# Altium PCB LPCXpresso55SXX.PcbDoc (part 4 of 4)
Units mm, origin at the board's own origin, x right, y up, seen from the top; angles counter-clockwise.
Board outline 97.07 x 97.84 mm, 4 copper layers (Top Layer, GND Plane, Power Plane, Bottom Layer), stack 1.58 mm thick; 336 components, 250 nets, 1211 pads, 766 vias.
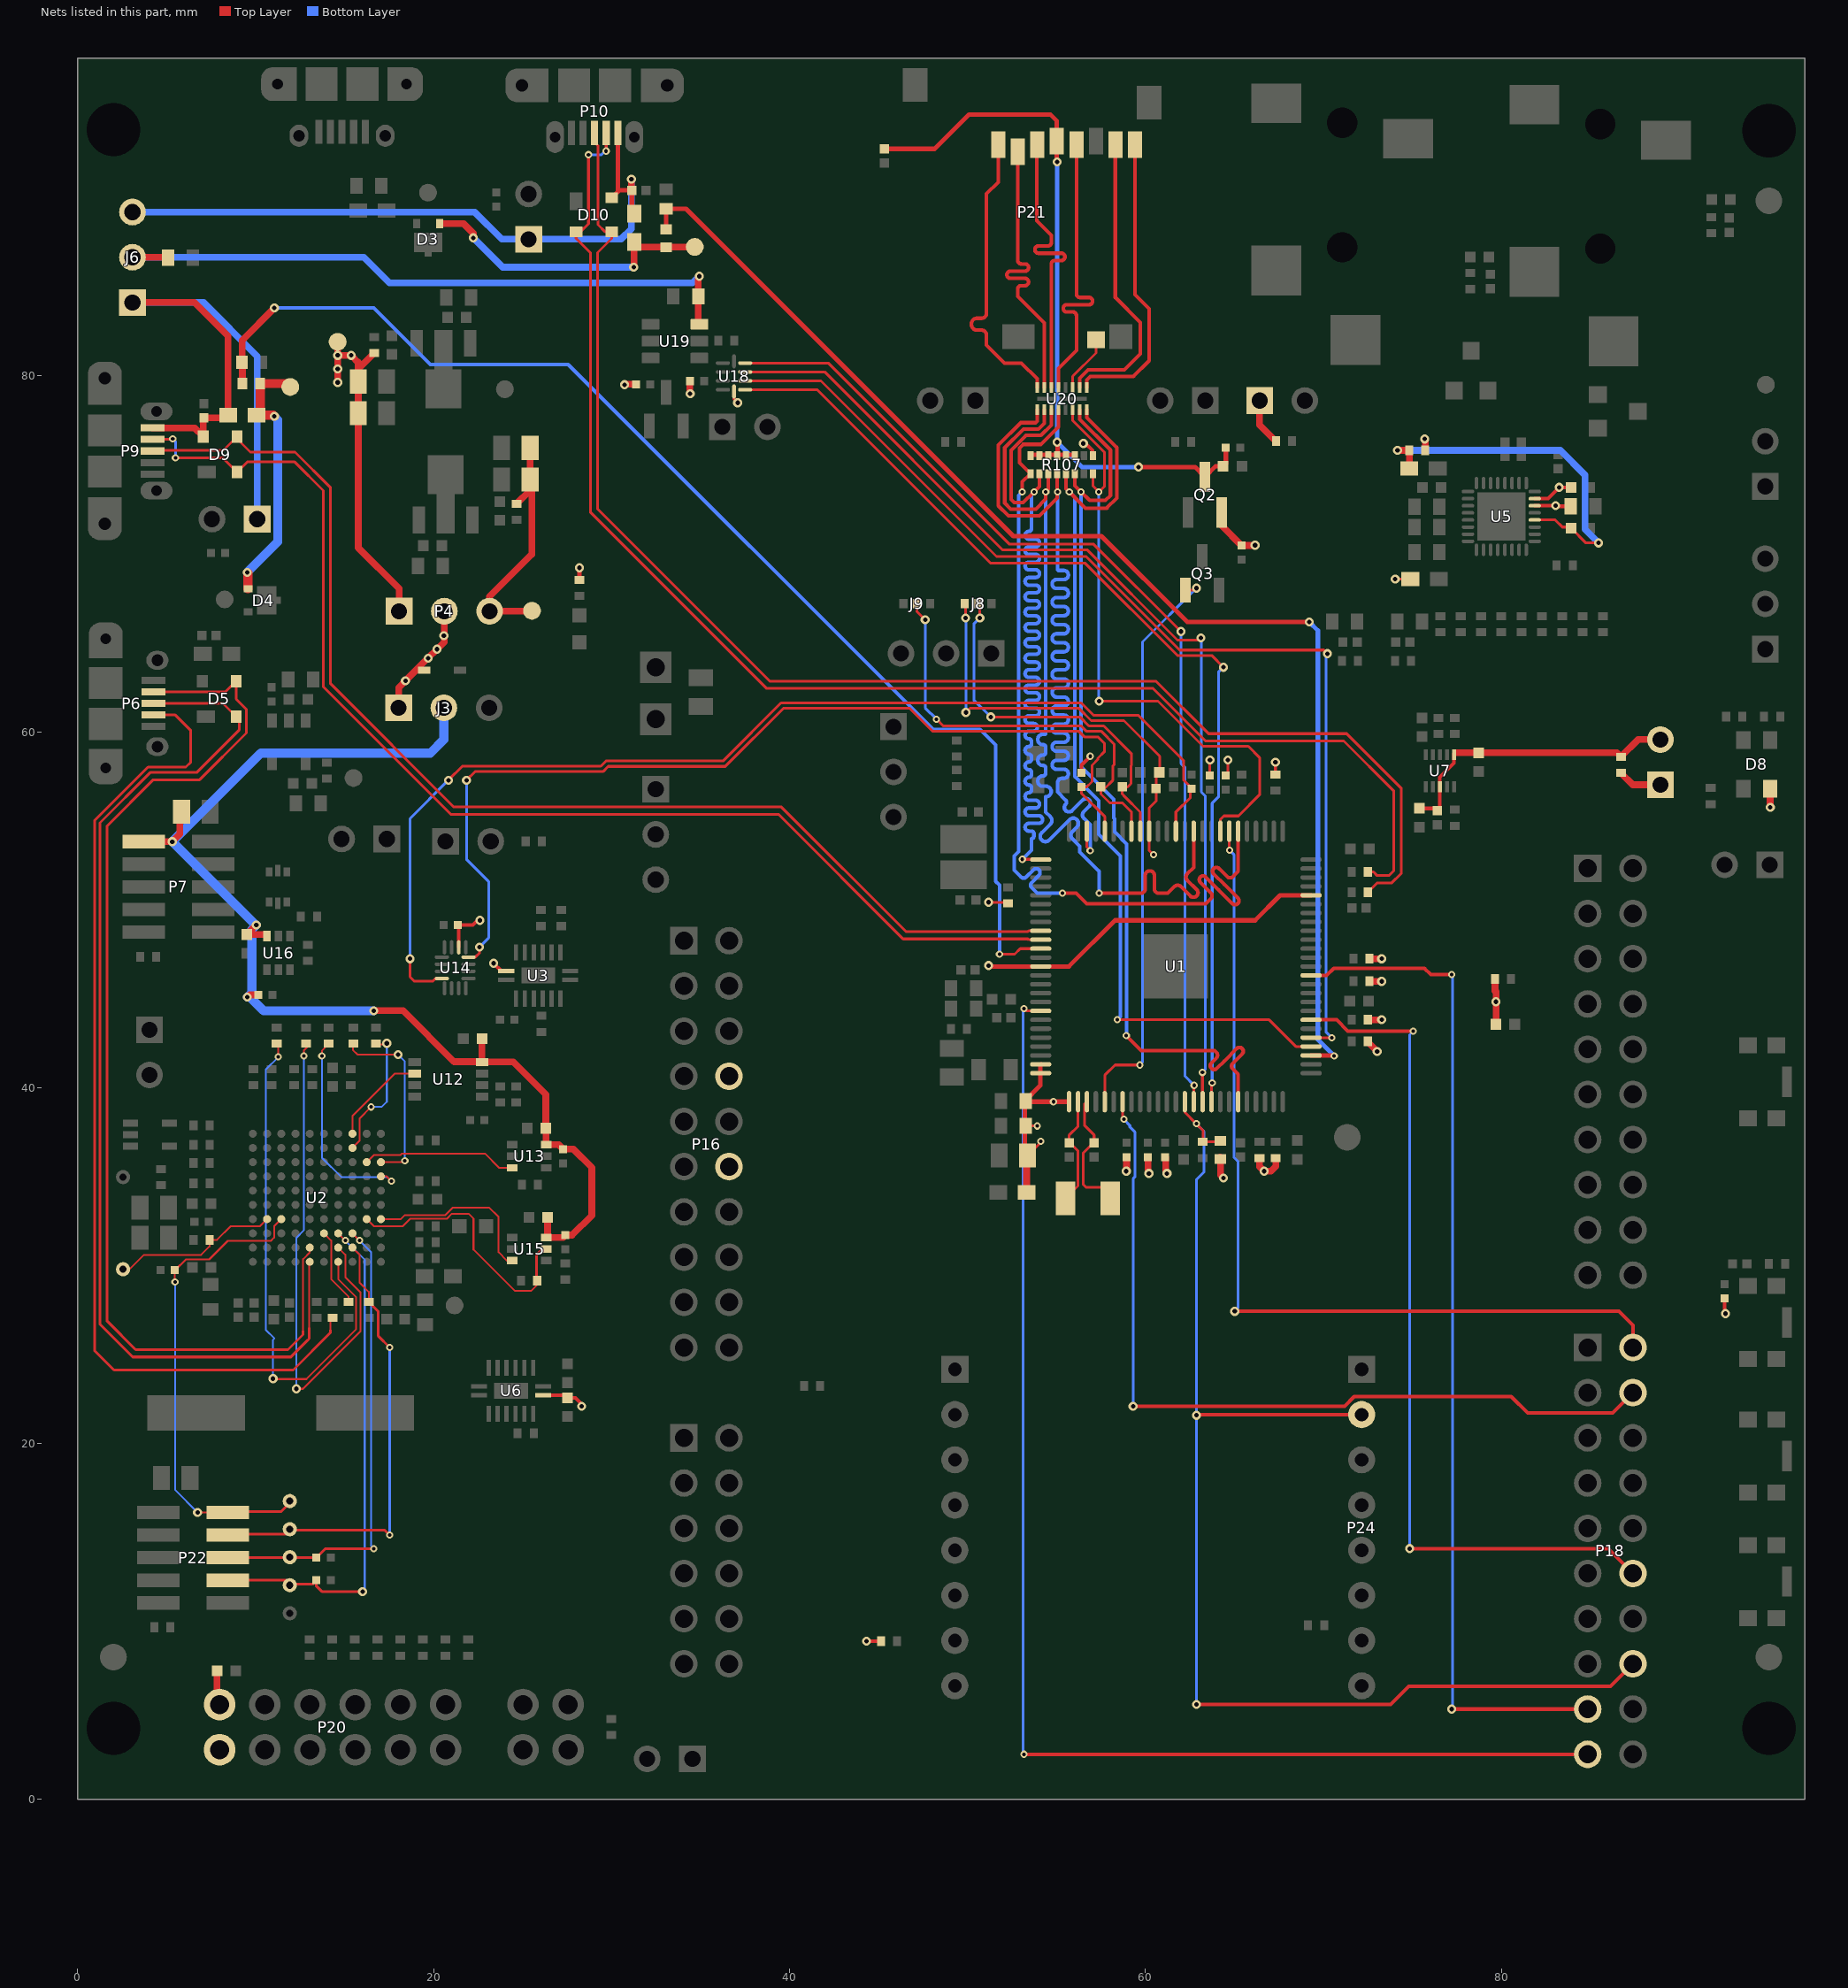
[diagram p6: the nets of this part, all layers, seen from the top]

## Via types
v1: diameter 0.508, hole 0.254, Top Layer to Bottom Layer, tented both sides, 566 vias
v2: diameter 0.406, hole 0.203, Top Layer to Bottom Layer, tented both sides, 185 vias
v3: diameter 0.406, hole 0.203, Top Layer to Bottom Layer, 13 vias
v4: diameter 0.508, hole 0.254, Top Layer to Bottom Layer, 2 vias

## Nets (pads, with @x,y where several pads share a name; then routed paths per layer and width w, separated by ;. In a path a pad name is that pad's centre, name@x,y a point inside that pad or via, vN(x,y) a via of type N, cw(c..) or ccw(c..) an arc to the next point about the centre after c; other vN are vias at no path point) (continued)
S\D\0\_\C\A\R\D\_\D\E\T\: R107.8 U1.8 U20.6 | length 34.3
  Top Layer w0.152: U20.6@55.914,78.095 55.914,77.486 57.708,75.692 57.708,73.806 v2(57.385,73.483) 57.045,73.823 R107.8@57.045,74.507 ; v1(57.404,61.722) 60.706,61.722 63.246,59.182 65.786,59.182 66.421,58.547 66.421,56.462 65.23,55.27 64.414,55.27 64.215,55.071 U1.8@64.215,54.412
  Bottom Layer w0.152: v2(57.385,73.483) 57.385,61.741 v1(57.404,61.722)
S\D\0\_\C\A\R\D\_\D\E\T\_F: P21.10 U20.11 | length 3.2
  Top Layer w0.152: U20.11@55.914,79.335 55.914,79.976 57.225,81.287 P21.10@57.225,82.039
S\D\1\_\C\A\R\D\_\D\E\T\: P18.19 U1.43 | length 74.6
  Top Layer w0.152: v2(53.181,44.45) 53.319,44.312 U1.43@54.115,44.312
  Top Layer w0.203: v2(53.181,2.54) P18.19@84.861,2.54
  Bottom Layer w0.152: v2(53.181,2.54) 53.13,2.591 53.13,44.399 v2(53.181,44.45)
SD0_CLK: R107.1 U1.6 U20.4 | length 52.5
  Top Layer w0.203: v2(53.083,73.483) 53.083,74.045 R107.1@53.545,74.507 52.934,75.118 52.934,75.946 53.137,76.149 54.127,76.149 55.114,77.136 U20.4@55.114,78.095 ; v2(55.34,50.927) 56.109,50.927 56.705,50.331 63.386,50.331 63.689,50.633 ccw(c63.536,50.786) 63.689,50.938 63.096,51.531 cw(c63.249,51.684) 63.096,51.837 cw(c63.249,51.684) 63.401,51.837 ; 63.401,51.837 64.147,51.091 64.892,50.346 ; 63.841,52.008 cw(c63.993,52.16) 63.841,52.313 cw(c63.993,52.16) 64.146,52.313 ; 63.841,52.008 64.452,51.396 65.197,50.651 cw(c65.045,50.498) 65.197,50.346 cw(c65.045,50.498) 64.892,50.346 ; 64.146,52.313 64.605,51.854 ccw(c64.757,52.007) 64.91,51.854 65.215,52.16 U1.6@65.215,54.412
  Bottom Layer w0.203: v2(53.083,73.483) 52.883,73.283 52.883,53.275 52.629,53.021 52.629,52.222 53.008,51.843 ccw(c53.161,51.996) 53.313,51.843 53.713,52.243 cw(c53.866,52.09) 54.019,52.243 cw(c53.866,52.09) 54.019,51.938 53.619,51.538 ccw(c53.772,51.385) 53.619,51.233 ; 53.619,51.232 53.924,50.927 v2(55.34,50.927)
SD0_CLK_F: P21.5 U20.13 | length 16.8
  Top Layer w0.203: U20.13@55.114,79.335 55.114,80.414 56.125,81.425 56.125,83.389 ccw(c55.922,83.389) 55.922,83.592 55.586,83.592 cw(c55.586,83.795) 55.383,83.795 cw(c55.586,83.795) 55.586,83.999 56.828,83.999 ccw(c56.828,84.202) 57.031,84.202 ccw(c56.828,84.202) 56.828,84.405 56.328,84.405 cw(c56.328,84.608) 56.125,84.608 P21.5@56.125,92.991
SD0_CMD: R107.2 U1.26 U20.3 | length 52.3
  Top Layer w0.152: v2(53.086,52.832) 54.135,52.832 U1.26@54.115,52.812
  Top Layer w0.203: R107.2@54.045,74.507 54.045,73.785 v2(53.743,73.483) 53.133,72.873 52.629,72.873 52.451,73.05 52.451,75.819 53.289,76.657 54.133,76.657 54.714,77.238 U20.3@54.714,78.095
  Bottom Layer w0.203: v2(53.086,52.832) 53.594,53.34 53.594,53.988 ccw(c53.594,54.127) 53.733,54.127 53.733,54.28 ccw(c53.594,54.28) 53.594,54.419 53.454,54.419 cw(c53.454,54.635) 53.238,54.635 cw(c53.454,54.635) 53.454,54.851 54.005,54.851 ccw(c54.005,55.067) 54.221,55.067 ccw(c54.005,55.067) 54.005,55.283 53.454,55.283 cw(c53.454,55.499) 53.238,55.499 cw(c53.454,55.499) 53.454,55.715 53.832,55.715 ccw(c53.832,55.931) 54.048,55.931 ccw(c53.832,55.931) 53.832,56.147 53.454,56.147 cw(c53.454,56.363) 53.238,56.363 cw(c53.454,56.363) 53.454,56.578 ccw(c53.454,56.718) 53.594,56.718 53.594,56.871 ccw(c53.454,56.871) 53.454,57.01 cw(c53.454,57.226) 53.238,57.226 cw(c53.454,57.226) 53.454,57.442 ccw(c53.454,57.582) 53.594,57.582 53.594,57.734 ccw(c53.454,57.734) 53.454,57.874 cw(c53.454,58.09) 53.238,58.09 cw(c53.454,58.09) 53.454,58.306 ccw(c53.454,58.445) 53.594,58.445 53.594,58.598 ccw(c53.454,58.598) 53.454,58.737 cw(c53.454,58.953) 53.238,58.953 cw(c53.454,58.953) 53.454,59.169 ccw(c53.454,59.309) 53.594,59.309 53.594,59.461 ccw(c53.454,59.461) 53.454,59.601 cw(c53.454,59.817) 53.238,59.817 cw(c53.454,59.817) 53.454,60.033 53.712,60.033 ccw(c53.712,60.249) 53.928,60.249 ccw(c53.712,60.249) 53.712,60.465 53.454,60.465 cw(c53.454,60.681) 53.238,60.681 cw(c53.454,60.681) 53.454,60.896 53.832,60.896 ccw(c53.832,61.112) 54.048,61.112 ccw(c53.832,61.112) 53.832,61.328 53.454,61.328 cw(c53.454,61.544) 53.238,61.544 cw(c53.454,61.544) 53.454,61.76 53.832,61.76 ccw(c53.832,61.976) 54.048,61.976 ccw(c53.832,61.976) 53.832,62.192 53.454,62.192 cw(c53.454,62.408) 53.238,62.408 cw(c53.454,62.408) 53.454,62.624 53.832,62.624 ccw(c53.832,62.84) 54.048,62.84 ccw(c53.832,62.84) 53.832,63.055 53.454,63.055 cw(c53.454,63.271) 53.238,63.271 cw(c53.454,63.271) 53.454,63.487 53.832,63.487 ccw(c53.832,63.703) 54.048,63.703 ccw(c53.832,63.703) 53.832,63.919 53.454,63.919 cw(c53.454,64.135) 53.238,64.135 cw(c53.454,64.135) 53.454,64.351 53.832,64.351 ccw(c53.832,64.567) 54.048,64.567 ccw(c53.832,64.567) 53.832,64.783 53.454,64.783 cw(c53.454,64.999) 53.238,64.999 cw(c53.454,64.999) 53.454,65.215 53.832,65.215 ccw(c53.832,65.43) 54.048,65.43 ccw(c53.832,65.43) 53.832,65.646 53.454,65.646 cw(c53.454,65.862) 53.238,65.862 cw(c53.454,65.862) 53.454,66.078 53.832,66.078 ccw(c53.832,66.294) 54.048,66.294 ccw(c53.832,66.294) 53.832,66.51 53.454,66.51 cw(c53.454,66.726) 53.238,66.726 cw(c53.454,66.726) 53.454,66.942 53.832,66.942 ccw(c53.832,67.158) 54.048,67.158 ccw(c53.832,67.158) 53.832,67.373 53.454,67.373 cw(c53.454,67.589) 53.238,67.589 cw(c53.454,67.589) 53.454,67.805 53.832,67.805 ccw(c53.832,68.021) 54.048,68.021 ccw(c53.832,68.021) 53.832,68.237 53.454,68.237 cw(c53.454,68.453) 53.238,68.453 cw(c53.454,68.453) 53.454,68.669 53.832,68.669 ccw(c53.832,68.885) 54.048,68.885 ccw(c53.832,68.885) 53.832,69.101 53.454,69.101 cw(c53.454,69.317) 53.238,69.317 cw(c53.454,69.317) 53.454,69.532 53.832,69.532 ccw(c53.832,69.748) 54.048,69.748 ccw(c53.832,69.748) 53.832,69.964 53.454,69.964 cw(c53.454,70.18) 53.238,70.18 cw(c53.454,70.18) 53.454,70.396 53.832,70.396 ccw(c53.832,70.612) 54.048,70.612 ccw(c53.832,70.612) 53.832,70.828 53.454,70.828 cw(c53.454,71.044) 53.238,71.044 cw(c53.454,71.044) 53.454,71.26 ccw(c53.454,71.399) 53.594,71.399 53.594,73.334 v2(53.743,73.483)
SD0_CMD_F: P21.3 U20.14 | length 16.9
  Top Layer w0.203: P21.3@53.925,92.991 53.898,92.964 53.898,88.723 54.714,87.907 54.714,87.501 cw(c54.511,87.501) 54.511,87.298 53.991,87.298 ccw(c53.991,87.094) 53.788,87.094 ccw(c53.991,87.094) 53.991,86.891 55.273,86.891 cw(c55.273,86.688) 55.476,86.688 cw(c55.273,86.688) 55.273,86.485 54.917,86.485 ccw(c54.917,86.282) 54.714,86.282 U20.14@54.714,79.335
SD0_D0: R107.6 U1.70 U20.7 | length 52.5
  Top Layer w0.203: R107.6@56.045,74.507 56.045,73.823 v2(56.385,73.483) 56.868,73 57.76,73 58.039,73.279 ; U20.7@56.314,78.095 56.314,77.553 58.038,75.829 58.038,73.28 ; v2(58.928,42.926) 59.766,42.088 63.881,42.088 63.994,41.975 cw(c63.841,41.822) 63.994,41.67 63.711,41.387 ; 63.711,41.386 ccw(c63.864,41.234) 63.711,41.081 ccw(c63.864,41.234) 64.017,41.081 64.452,41.517 65.134,42.199 ; 65.134,42.199 cw(c65.287,42.046) 65.439,42.199 cw(c65.287,42.046) 65.44,41.894 64.91,41.364 ccw(c65.063,41.211) 64.91,41.059 65.215,40.753 U1.70@65.215,39.212
  Bottom Layer w0.203: v2(56.385,73.483) 56.385,58.042 58.217,56.21 58.217,55.157 58.268,55.106 58.268,54.376 58.953,53.69 58.953,42.951 v2(58.928,42.926)
SD0_D0_F: P21.7 U20.10 | length 16.8
  Top Layer w0.203: U20.10@56.314,79.335 56.314,79.868 56.787,80.341 58.819,80.341 59.708,81.23 59.708,83.008 58.311,84.405 58.311,92.977 P21.7@58.325,92.991
SD0_D1: R107.5 U1.79 U20.8 | length 52.5
  Top Layer w0.152: v2(58.42,43.815) 66.954,43.815 68.457,42.312 U1.79@69.315,42.312
  Top Layer w0.203: R107.5@55.545,74.507 55.545,73.662 v2(55.724,73.483) 56.639,72.568 57.836,72.568 57.836,72.573 58.395,73.132 58.395,75.975 56.714,77.656 U20.8@56.714,78.095
  Bottom Layer w0.203: v2(55.724,73.483) 56.029,73.178 56.029,57.484 57.379,56.134 57.379,54.229 58.598,53.01 58.598,43.993 v2(58.42,43.815)
SD0_D1_F: P21.8 U20.9 | length 16.8
  Top Layer w0.203: U20.9@56.714,79.335 56.714,79.76 56.914,79.96 59.327,79.96 60.216,80.849 60.216,83.77 59.425,84.561 P21.8@59.425,92.991
SD0_D2: R107.4 U1.23 U20.1 | length 52.5
  Top Layer w0.152: U1.23@56.715,54.412 56.715,53.521 56.896,53.34 v2(56.896,53.315)
  Top Layer w0.203: U20.1@53.914,78.095 53.914,77.46 53.823,77.368 52.995,77.368 51.74,76.114 51.74,72.695 52.299,72.136 54.051,72.136 55.045,73.13 R107.4@55.045,74.507
  Bottom Layer w0.203: v2(55.064,73.483) 55.064,69.139 ccw(c55.137,69.139) 55.137,69.066 55.419,69.066 cw(c55.419,68.812) 55.673,68.812 cw(c55.419,68.812) 55.419,68.558 55.013,68.558 ccw(c55.013,68.304) 54.759,68.304 ccw(c55.013,68.304) 55.013,68.05 55.419,68.05 cw(c55.419,67.796) 55.673,67.796 cw(c55.419,67.796) 55.419,67.542 55.013,67.542 ccw(c55.013,67.288) 54.759,67.288 ccw(c55.013,67.288) 55.013,67.034 55.419,67.034 cw(c55.419,66.78) 55.673,66.78 cw(c55.419,66.78) 55.419,66.526 55.013,66.526 ccw(c55.013,66.272) 54.759,66.272 ccw(c55.013,66.272) 55.013,66.018 55.419,66.018 cw(c55.419,65.764) 55.673,65.764 cw(c55.419,65.764) 55.419,65.51 55.013,65.51 ccw(c55.013,65.256) 54.759,65.256 ccw(c55.013,65.256) 55.013,65.002 55.419,65.002 cw(c55.419,64.748) 55.673,64.748 cw(c55.419,64.748) 55.419,64.494 55.013,64.494 ccw(c55.013,64.24) 54.759,64.24 ccw(c55.013,64.24) 55.013,63.986 55.419,63.986 cw(c55.419,63.732) 55.673,63.732 cw(c55.419,63.732) 55.419,63.478 55.013,63.478 ccw(c55.013,63.224) 54.759,63.224 ccw(c55.013,63.224) 55.013,62.97 55.419,62.97 cw(c55.419,62.716) 55.673,62.716 cw(c55.419,62.716) 55.419,62.462 55.013,62.462 ccw(c55.013,62.208) 54.759,62.208 ccw(c55.013,62.208) 55.013,61.954 55.419,61.954 cw(c55.419,61.7) 55.673,61.7 cw(c55.419,61.7) 55.419,61.446 55.013,61.446 ccw(c55.013,61.192) 54.759,61.192 ccw(c55.013,61.192) 55.013,60.938 55.419,60.938 cw(c55.419,60.684) 55.673,60.684 cw(c55.419,60.684) 55.419,60.43 55.013,60.43 ccw(c55.013,60.176) 54.759,60.176 ccw(c55.013,60.176) 55.013,59.922 55.419,59.922 cw(c55.419,59.668) 55.673,59.668 cw(c55.419,59.668) 55.419,59.414 55.013,59.414 ccw(c55.013,59.16) 54.759,59.16 ccw(c55.013,59.16) 55.013,58.906 55.419,58.906 cw(c55.419,58.652) 55.673,58.652 cw(c55.419,58.652) 55.419,58.398 55.013,58.398 ccw(c55.013,58.144) 54.759,58.144 ccw(c55.013,58.144) 55.013,57.89 55.419,57.89 cw(c55.419,57.636) 55.673,57.636 cw(c55.419,57.636) 55.419,57.382 55.318,57.382 ccw(c55.318,57.128) 55.064,57.128 55.064,56.62 55.523,56.161 cw(c55.406,56.045) 55.523,55.929 ccw(c55.702,55.749) 55.523,55.57 ccw(c55.702,55.749) 55.882,55.57 56.481,56.169 cw(c56.661,55.99) 56.841,56.169 cw(c56.661,55.99) 56.841,55.81 56.537,55.506 ccw(c56.716,55.327) 56.537,55.147 56.896,54.788 v2(56.896,53.315)
SD0_D2_F: P21.1 U20.16 | length 16.8
  Top Layer w0.203: P21.1@51.725,92.991 51.725,90.882 51.072,90.229 51.072,83.516 cw(c50.793,83.516) 50.793,83.237 50.523,83.237 ccw(c50.523,82.939) 50.226,82.939 50.226,82.873 ccw(c50.523,82.873) 50.523,82.576 50.775,82.576 cw(c50.775,82.279) 51.072,82.279 51.072,81.738 52.088,80.722 53.035,80.722 53.914,79.843 U20.16@53.914,79.335
SD0_D3: R107.3 U1.11 U20.2 | length 52.4
  Top Layer w0.203: U20.2@54.314,78.095 54.314,77.341 53.985,77.013 53.142,77.013 52.095,75.966 52.095,72.847 52.426,72.517 53.848,72.517 54.403,73.072 v2(54.403,73.483) 54.545,73.625 R107.3@54.545,74.507 ; v2(57.404,50.927) 59.741,50.927 ccw(c59.741,51.181) 59.995,51.181 59.995,51.93 cw(c60.249,51.93) 60.249,52.184 cw(c60.249,51.93) 60.503,51.93 60.503,51.181 ccw(c60.757,51.181) 60.757,50.927 61.265,50.927 61.638,51.3 cw(c61.817,51.12) 61.997,51.3 62.524,50.773 ccw(c62.704,50.952) 62.883,50.773 ccw(c62.704,50.952) 62.883,51.132 62.356,51.659 cw(c62.536,51.839) 62.356,52.018 62.715,52.378 U1.11@62.715,54.412
  Bottom Layer w0.203: v2(54.403,73.483) 54.403,59.919 cw(c54.343,59.919) 54.343,59.858 54.242,59.858 ccw(c54.242,59.566) 53.95,59.566 ccw(c54.242,59.566) 54.242,59.274 cw(c54.242,59.113) 54.403,59.113 54.403,58.852 cw(c54.242,58.852) 54.242,58.69 ccw(c54.242,58.398) 53.95,58.398 ccw(c54.242,58.398) 54.242,58.106 cw(c54.242,57.944) 54.403,57.944 54.403,57.683 cw(c54.242,57.683) 54.242,57.522 ccw(c54.242,57.23) 53.95,57.23 ccw(c54.242,57.23) 54.242,56.937 54.416,56.937 cw(c54.416,56.645) 54.708,56.645 cw(c54.416,56.645) 54.416,56.353 54.403,56.353 54.403,55.477 54.659,55.221 cw(c54.453,55.014) 54.659,54.808 54.174,54.323 ccw(c54.381,54.116) 54.174,53.91 ccw(c54.381,54.116) 54.588,53.91 55.279,54.601 55.741,55.063 cw(c55.947,54.856) 56.154,55.063 cw(c55.947,54.856) 56.154,54.65 55.899,54.395 ccw(c56.105,54.188) 55.899,53.982 56.312,53.569 56.312,53.252 57.404,52.16 v2(57.404,50.927)
SD0_D3_F: P21.2 U20.15 | length 16.8
  Top Layer w0.203: P21.2@52.825,92.591 52.825,86.494 ccw(c53.028,86.494) 53.028,86.291 53.234,86.291 cw(c53.234,86.088) 53.437,86.088 cw(c53.234,86.088) 53.234,85.884 52.416,85.884 ccw(c52.416,85.681) 52.213,85.681 ccw(c52.416,85.681) 52.416,85.478 53.234,85.478 cw(c53.234,85.275) 53.437,85.275 cw(c53.234,85.275) 53.234,85.072 53.028,85.072 ccw(c53.028,84.868) 52.825,84.868 52.825,84.462 54.314,82.973 U20.15@54.314,79.335
SD0_PWR_EN: Q3.1 U1.55 | length 32.5
  Top Layer w0.152: U1.55@57.715,39.212 57.715,40.697 58.293,41.275 v2(59.69,41.275) ; Q3.1@62.245,67.954 62.747,67.954 v1(62.865,68.072)
  Bottom Layer w0.152: v2(59.69,41.275) 59.842,41.427 59.842,65.049 v1(62.865,68.072)
SD1_CLK: P18.2 U1.7 | length 51.2
  Top Layer w0.152: U1.7@64.715,54.412 64.715,53.363 v2(64.738,53.34)
  Top Layer w0.203: v1(65.024,27.432) 86.614,27.432 87.401,26.645 P18.2@87.401,25.4
  Bottom Layer w0.152: v2(64.738,53.34) 64.979,53.099 64.979,36.089 65.202,35.866 65.202,27.61 v1(65.024,27.432)
SD1_CMD: P18.4 U1.57 | length 46.6
  Top Layer w0.152: U1.57@58.715,39.212 58.715,38.313 v2(58.801,38.227)
  Top Layer w0.203: v1(59.309,22.098) 71.19,22.098 71.734,22.642 80.559,22.642 81.483,21.717 86.258,21.717 P18.4@87.401,22.86
  Bottom Layer w0.152: v2(58.801,38.227) 58.801,38.203 59.131,37.872 59.131,37.794 59.411,37.515 59.411,34.979 59.309,34.878 v1(59.309,22.098)
SD1_D2: P18.12 U1.82 | length 48.3
  Top Layer w0.203: U1.82@69.315,43.812 70.747,43.812 71.379,43.18 v2(75.057,43.18) ; v1(74.854,14.097) 86.004,14.097 P18.12@87.401,12.7
  Bottom Layer w0.152: v1(74.854,14.097) 74.854,42.977 v2(75.057,43.18)
SD1_PWR_EN: P18.17 U1.87 | length 57.2
  Top Layer w0.203: U1.87@69.315,46.312 70.188,46.312 70.591,46.715 75.685,46.715 76.045,46.355 v2(77.216,46.355) ; v1(77.216,5.08) P18.17@84.861,5.08
  Bottom Layer w0.152: v1(77.216,5.08) 77.267,5.131 77.267,46.304 v2(77.216,46.355)
SWDCLK_LINK2: P22.4 R32.2 TP14.1 U2.H2 | length 26.4
  Top Layer w0.102: U2.H2@15.436,31.013 15.836,30.613 15.836,29.038 16.351,28.523 R32.2@16.351,27.957
  Top Layer w0.152: P22.4@8.395,14.91 11.684,14.91 11.913,15.138 17.247,15.138 v2(17.526,14.859) ; R32.2@16.351,27.957 16.891,27.417 16.891,27.357 16.889,27.356 16.889,26.037 v2(17.526,25.4)
  Bottom Layer w0.152: v2(17.526,14.859) v2(17.526,25.4)
SWDCLK_TRGT: R112.2 U1.13 U14.4 | length 62.8
  Top Layer w0.152: v1(18.669,47.244) 18.669,46.228 18.923,45.974 19.939,45.974 20.101,46.136 U14.4@20.459,46.136 ; v1(20.828,57.277) 21.615,58.064 29.392,58.064 29.685,58.357 36.259,58.357 39.522,61.62 56.392,61.62 57.078,60.935 59.588,60.935 62.146,58.377 62.146,57.28 62.528,56.899 62.528,56.305 61.715,55.492 U1.13@61.715,54.412
  Bottom Layer w0.152: v1(18.669,47.244) 18.669,55.118 v1(20.828,57.277)
SWDIO_LINK2: P22.2 R81.1 TP15.1 U2.C4 | length 27.2
  Top Layer w0.102: v2(5.461,29.083) 5.448,29.096 5.448,29.725 6.071,30.348 7.387,30.348 8.429,31.39 10.854,31.39 11.036,31.573 11.036,32.213 U2.C4@11.436,32.613 ; v1(6.731,16.129) 8.09,16.129 8.217,16.002 P22.2@8.395,16.18
  Top Layer w0.152: P22.2@8.395,16.18 11.43,16.18 TP15.1@11.913,16.662
  Bottom Layer w0.102: v2(5.461,29.083) 5.461,17.399 v1(6.731,16.129)
SWO_LINK2: P22.6 R108.1 TP16.1 U2.H3 | length 26.7
  Top Layer w0.102: U2.H3@15.436,31.813 v2(15.836,31.413)
  Top Layer w0.152: P22.6@8.395,13.64 8.446,13.589 R108.1@13.411,13.589 13.919,14.097 v2(16.637,14.097)
  Bottom Layer w0.102: v2(15.836,31.413) 16.478,30.771 16.478,14.256 v2(16.637,14.097)
SWO_TRGT: R113.1 U1.21 U14.12 | length 55.7
  Top Layer w0.152: v1(21.844,57.277) 22.327,57.76 29.518,57.76 29.811,58.052 36.385,58.052 39.649,61.316 46.761,61.316 48.057,60.02 56.268,60.02 56.573,59.715 57.329,59.715 57.71,59.334 57.71,58.9 57.328,58.517 57.328,58.444 57,58.117 57,57.2 56.7,56.9 R113.1@56.4,56.9 56.4,56.554 57.715,55.238 U1.21@57.715,54.412 ; U14.12@21.959,47.336 22.342,47.336 22.581,47.574 v1(22.581,47.904)
  Bottom Layer w0.152: v1(21.844,57.277) 21.844,52.832 23.089,51.587 23.089,48.412 v1(22.581,47.904)
T\R\S\T\: R30.1 TP11.1 U2.B4 | length 9.5
  Top Layer w0.102: TP11.1@2.54,29.794 2.896,29.794 3.708,30.607 6.934,30.607 7.403,31.076 R30.1@7.403,31.444 7.822,31.444 8.591,32.213 10.236,32.213 U2.B4@10.636,32.613
TCK_SWCLK: U2.H10 U12.2 | length 5.5
  Top Layer w0.102: U2.H10@15.436,37.413 15.436,38.403 17.826,40.793 U12.2@18.931,40.793
TDI_LINK2: P22.8 R122.1 TP17.1 U2.G3 | length 29
  Top Layer w0.102: U2.G3@14.636,31.813 v2(15.036,31.413)
  Top Layer w0.152: P22.8@8.395,12.319 P22.8@8.427,12.319 11.684,12.319 11.913,12.09 13.182,12.09 R122.1@13.411,12.319 13.411,11.989 13.716,11.684 v1(16.002,11.684)
  Bottom Layer w0.102: v2(15.036,31.413) 16.122,30.327 16.122,11.804 v1(16.002,11.684)
TDO_SWO: U2.J8 U13.3 | length 8.7
  Top Layer w0.102: U2.J8@16.236,35.813 16.636,36.213 18.132,36.213 18.215,36.295 22.887,36.295 23.689,35.493 U13.3@24.418,35.493
TMS_SWDIO: U2.K4 U15.3 | length 10
  Top Layer w0.102: U2.K4@17.036,32.613 18.155,32.613 18.383,32.841 20.658,32.841 21.084,33.266 23.114,33.266 23.648,32.732 23.648,30.751 24.113,30.286 U15.3@24.418,30.286
TMS_SWDIO_TXEN: R61.2 U2.J4 U15.5 | length 15.4
  Top Layer w0.102: U2.J4@16.236,32.613 16.636,32.213 18.263,32.213 18.683,32.633 20.738,32.633 21.016,32.911 21.969,32.911 22.238,32.642 22.238,30.907 24.567,28.578 25.474,28.578 25.818,28.922 R61.2@25.818,29.158
  Top Layer w0.152: R61.2@25.818,29.158 25.789,29.187 25.789,30.615 26.11,30.936 U15.5@26.318,30.936
TRACE_CLK: R62.1 U2.K7 | length 11.6
  Top Layer w0.102: v2(13.716,41.783) 13.716,42.075 R62.1@14.065,42.424 ; U2.K7@17.036,35.013 17.354,35.013 v2(17.621,34.746)
  Bottom Layer w0.102: v2(13.716,41.783) 13.716,36.066 14.808,34.975 17.392,34.975 v2(17.621,34.746)
TRACE_D0: R64.1 U2.G2 | length 29.8
  Top Layer w0.102: v1(12.28,23.075) 12.655,23.075 15.889,26.31 15.889,28.5 15.036,29.353 15.036,30.613 U2.G2@14.636,31.013 ; v2(12.7,41.783) 12.7,42.083 12.922,42.305 R64.1@12.795,42.432
  Bottom Layer w0.102: v1(12.28,23.075) 12.28,31.56 12.7,31.98 v2(12.7,41.783)
TRACE_D1: R65.1 U2.G1 | length 29.4
  Top Layer w0.102: v1(10.973,23.647) 11.027,23.647 11.051,23.624 12.844,23.624 15.635,26.416 15.635,28.245 14.636,29.245 U2.G1@14.636,30.213 ; v2(11.271,41.731) 11.271,42.305 R65.1@11.398,42.432
  Bottom Layer w0.102: v1(10.973,23.647) 10.973,25.827 11.049,25.903 10.566,26.385 10.566,41.026 v2(11.271,41.731)